# Allegro board RK3576_TEMPLATE_LP4XD200P132SD6_24X34_2133MHz_H1R6_V11_20240529YWQ.brd (continued)
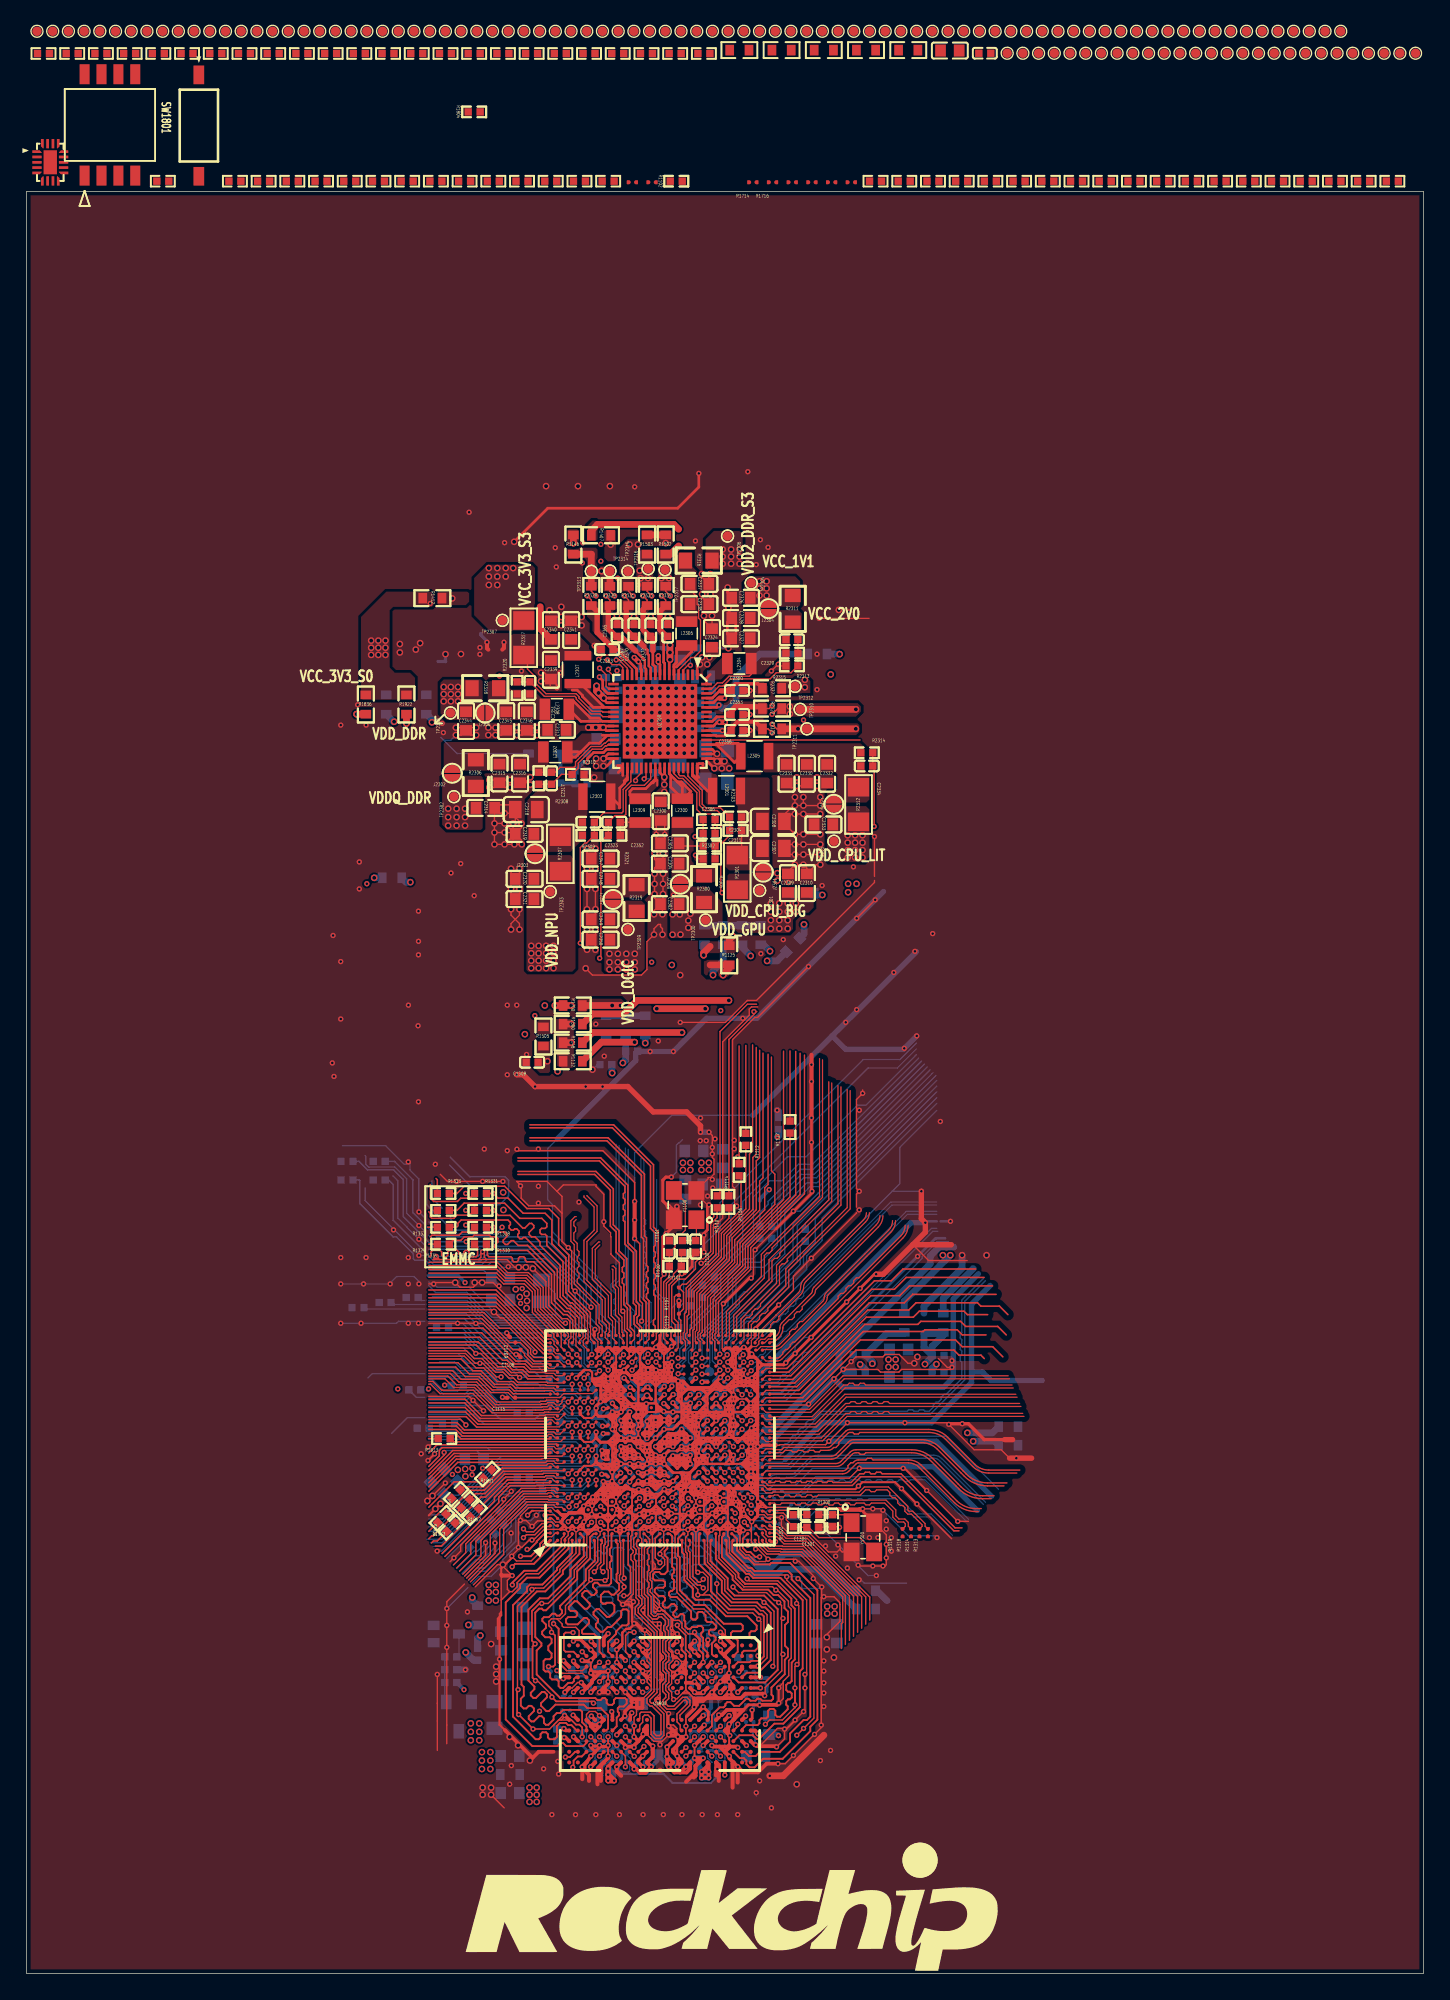
[diagram p0: board, top side]
## Nets (continued)
MIPI_DPHY_CSI0_RX_D2P/MIPI_CPHY_CSI_RX_TRIO2_B: TP1517.1 U1000.AK23(MIPI_DPHY_CSI0_RX_D2P  | MIPI_CPHY_CSI_RX_TRIO2_B)
MIPI_DPHY_CSI0_RX_D3N/MIPI_CPHY_CSI_RX_TRIO2_C: TP1518.1 U1000.AL24(MIPI_DPHY_CSI0_RX_D3N  | MIPI_CPHY_CSI_RX_TRIO2_C)
MIPI_DPHY_CSI0_RX_D3P/NO_USE: TP1519.1 U1000.AK24(MIPI_DPHY_CSI0_RX_D3P  |                   NO_USE)
MIPI_DPHY_CSI1/2_PWREN_H: R1942.2
MIPI_DPHY_CSI1_CAM_CLKOUT: R1952.2
MIPI_DPHY_CSI1_PDN_H: TP1918.1 U1000.1C12(PWM2_CH3_M3 | --             | SPI1_CSN0_M2   | UART8_CTSN_M0  | --              | --              | FLEXBUS1_D3     | DSMC_DATA1  | SAI1_MCLK_M1 | --                  | VO_EBC_SDDO3  | VO_LCDC_D3    | GPIO3_D0_D)
MIPI_DPHY_CSI1_RX_CLKN: TP1524.1 U1000.1AC23(MIPI_DPHY_CSI1_RX_CLKN |                     --)
MIPI_DPHY_CSI1_RX_CLKP: TP1525.1 U1000.1AC22(MIPI_DPHY_CSI1_RX_CLKP |                     --)
MIPI_DPHY_CSI1_RX_D0N: TP1520.1 U1000.AE28(MIPI_DPHY_CSI1_RX_D0N  |                     --)
MIPI_DPHY_CSI1_RX_D0P: TP1521.1 U1000.AE29(MIPI_DPHY_CSI1_RX_D0P  |                     --)
MIPI_DPHY_CSI1_RX_D1N: TP1522.1 U1000.AF28(MIPI_DPHY_CSI1_RX_D1N  |                     --)
MIPI_DPHY_CSI1_RX_D1P: TP1523.1 U1000.AF29(MIPI_DPHY_CSI1_RX_D1P  |                     --)
MIPI_DPHY_CSI1_RX_D2N/MIPI_DPHY_CSI2_RX_D0N: TP1526.1 U1000.AG28(MIPI_DPHY_CSI1_RX_D2N  |  MIPI_DPHY_CSI2_RX_D0N)
MIPI_DPHY_CSI1_RX_D2P/MIPI_DPHY_CSI2_RX_D0P: TP1527.1 U1000.AG29(MIPI_DPHY_CSI1_RX_D2P  |  MIPI_DPHY_CSI2_RX_D0P)
MIPI_DPHY_CSI1_RX_D3N/MIPI_DPHY_CSI2_RX_D1N: TP1528.1 U1000.AH28(MIPI_DPHY_CSI1_RX_D3N  |  MIPI_DPHY_CSI2_RX_D1N)
MIPI_DPHY_CSI1_RX_D3P/MIPI_DPHY_CSI2_RX_D1P: TP1529.1 U1000.AH29(MIPI_DPHY_CSI1_RX_D3P  |  MIPI_DPHY_CSI2_RX_D1P)
MIPI_DPHY_CSI2_RX_CLKN: TP1530.1 U1000.1AD22(--                     | MIPI_DPHY_CSI2_RX_CLKN)
MIPI_DPHY_CSI2_RX_CLKP: TP1531.1 U1000.1AD21(--                     | MIPI_DPHY_CSI2_RX_CLKP)
MIPI_DPHY_CSI3/4_PWREN_H: R1946.2
MIPI_DPHY_CSI3_CAM_CLKOUT: R1953.2
MIPI_DPHY_CSI3_PDN_H: TP1922.1 U1000.1D10(--          | I2C3_SDA_M2    | SPI3_MISO_M1   | UART5_TX_M0    | --              | --              | FLEXBUS1_D0     | DSMC_CLKP   | SAI1_SDI2_M1 | --                  | VO_EBC_GDCLK  | VO_LCDC_HSYNC | GPIO3_D5_D)
MIPI_DPHY_CSI3_RX_CLKN: TP1536.1 U1000.1H23(MIPI_DPHY_CSI3_RX_CLKN |                     --)
MIPI_DPHY_CSI3_RX_CLKP: TP1537.1 U1000.1H22(MIPI_DPHY_CSI3_RX_CLKP |                     --)
MIPI_DPHY_CSI3_RX_D0N: TP1532.1 U1000.H29(MIPI_DPHY_CSI3_RX_D0N  |                     --)
MIPI_DPHY_CSI3_RX_D0P: TP1533.1 U1000.H28(MIPI_DPHY_CSI3_RX_D0P  |                     --)
MIPI_DPHY_CSI3_RX_D1N: TP1534.1 U1000.J29(MIPI_DPHY_CSI3_RX_D1N  |                     --)
MIPI_DPHY_CSI3_RX_D1P: TP1535.1 U1000.J28(MIPI_DPHY_CSI3_RX_D1P  |                     --)
MIPI_DPHY_CSI3_RX_D2N/MIPI_DPHY_CSI4_RX_D0N: TP1538.1 U1000.K29(MIPI_DPHY_CSI3_RX_D2N  |  MIPI_DPHY_CSI4_RX_D0N)
MIPI_DPHY_CSI3_RX_D2P/MIPI_DPHY_CSI4_RX_D0P: TP1539.1 U1000.K28(MIPI_DPHY_CSI3_RX_D2P  |  MIPI_DPHY_CSI4_RX_D0P)
MIPI_DPHY_CSI3_RX_D3N/MIPI_DPHY_CSI4_RX_D1N: TP1540.1 U1000.L29(MIPI_DPHY_CSI3_RX_D3N  |  MIPI_DPHY_CSI4_RX_D1N)
MIPI_DPHY_CSI3_RX_D3P/MIPI_DPHY_CSI4_RX_D1P: TP1541.1 U1000.L28(MIPI_DPHY_CSI3_RX_D3P  |  MIPI_DPHY_CSI4_RX_D1P)
MIPI_DPHY_CSI4_RX_CLKN: TP1542.1 U1000.1K23(--                     | MIPI_DPHY_CSI4_RX_CLKN)
MIPI_DPHY_CSI4_RX_CLKP: TP1543.1 U1000.1K22(--                     | MIPI_DPHY_CSI4_RX_CLKP)
MIPI_DPHY_DSI_TX_CLKN: TP1504.1 U1000.AK17(MIPI_DPHY_DSI_TX_CLKN | MIPI_CPHY_DSI_TX_TRIO1_B)
MIPI_DPHY_DSI_TX_CLKP: TP1505.1 U1000.AL17(MIPI_DPHY_DSI_TX_CLKP | MIPI_CPHY_DSI_TX_TRIO1_C)
MIPI_DPHY_DSI_TX_D0N: TP1500.1 U1000.AK15(MIPI_DPHY_DSI_TX_D0N  | MIPI_CPHY_DSI_TX_TRIO0_A)
MIPI_DPHY_DSI_TX_D0P: TP1501.1 U1000.AL15(MIPI_DPHY_DSI_TX_D0P  | MIPI_CPHY_DSI_TX_TRIO0_B)
MIPI_DPHY_DSI_TX_D1N: TP1502.1 U1000.AK16(MIPI_DPHY_DSI_TX_D1N  | MIPI_CPHY_DSI_TX_TRIO0_C)
MIPI_DPHY_DSI_TX_D1P: TP1503.1 U1000.AL16(MIPI_DPHY_DSI_TX_D1P  | MIPI_CPHY_DSI_TX_TRIO1_A)
MIPI_DPHY_DSI_TX_D2N: TP1506.1 U1000.AK18(MIPI_DPHY_DSI_TX_D2N  | MIPI_CPHY_DSI_TX_TRIO2_A)
MIPI_DPHY_DSI_TX_D2P: TP1507.1 U1000.AL18(MIPI_DPHY_DSI_TX_D2P  | MIPI_CPHY_DSI_TX_TRIO2_B)
MIPI_DPHY_DSI_TX_D3N: TP1508.1 U1000.AK19(MIPI_DPHY_DSI_TX_D3N  | MIPI_CPHY_DSI_TX_TRIO2_C)
MIPI_DPHY_DSI_TX_D3P: TP1509.1 U1000.AL19(MIPI_DPHY_DSI_TX_D3P  |                   NO_USE)
MIPI_TE_M1_GPIO3_A2: R1904.2
NPOR: C1119.1 R1106.1 R1107.1 U1000.W28(NPOR)
OSC_1V8: C1102.1 R1119.2 U1000.2J10(OSC_AVDD1V8)
OSC_UFS_AVDD: C1307.1 R1324.1 U1000.2M2(OSC_UFS_AVDD)
OSC_UFS_XIN: C1304.1 R1302.2 U1000.AK5(OSC_UFS_XIN) Y1300.3(X2)
OSC_UFS_XOUT: R1300.1 R1302.1 U1000.AL5(OSC_UFS_XOUT)
OTP_VDD0V75: C1117.1 R1148.1 U1000.2H11(OTP_DVDD0V75)
PCIE0_CLKREQN_M0: TP1902.1 U1000.1A17(--          | --              | PCIE0_CLKREQN_M0 | SPI4_CSN0_M3  | UART1_CTSN_M1  | PDM0_SDI1_M3 | SAI0_SDI2_M0 | ETH0_TXD3_M1        | SDMMC1_CMD_M1       | VI_CIF_D11           | GPIO2_B2_D)
PCIE0_PERSTN: TP1904.1 U1000.A19(--          | SATA0_ACTLED_M0 | --               | SPI4_MOSI_M3  | UART7_CTSN_M0  | PDM0_SDI0_M3 | SAI0_SDI3_M0 | ETH0_TXD2_M1        | SDMMC1_PWREN_M1     | VI_CIF_D9            | GPIO2_B4_D)
PCIE0_SOC_REFCLKN: R1714.1 U1000.1N23(PCIE0_REFCLKN |        --)
PCIE0_SOC_REFCLKP: R1716.1 U1000.1N22(PCIE0_REFCLKP |        --)
PCIE0_SOC_RXN: R1709.1 U1000.R29(PCIE0_RXN     | SATA0_RXN)
PCIE0_SOC_RXP: R1711.1 U1000.R28(PCIE0_RXP     | SATA0_RXP)
PCIE0_SOC_TXN: R1706.1 U1000.P28(PCIE0_TXN     | SATA0_TXN)
PCIE0_SOC_TXP: R1704.1 U1000.P29(PCIE0_TXP     | SATA0_TXP)
PCIE0_WAKEN_M0: TP1109.1 U1000.1Y22(UART1_CTSN_M0 | PWM1_CH5_M0 | CPUBIG_AVS     | --              | I2C4_SCL_M0      | PDM0_SDI2_M0 | SAI0_SDO2_M1   | SAI0_SDI2_M1 | GPIO0_D2_D)
PCIE1_CLKREQN_M0: TP1903.1 U1000.1B16(--          | --              | PCIE1_CLKREQN_M0 | SPI4_CLK_M3   | UART1_RTSN_M1  | PDM0_CLK1_M3 | SAI0_SDO2_M0 | ETH0_TXCLK_M1       | SDMMC1_CLK_M1       | VI_CIF_D10           | GPIO2_B3_D)
PCIE1_PERSTN: SW1801.8(B1)
PCIE1_PWREN_H: R1939.2
PCIE1_REFCLKN: R1720.1 U1000.1M23(PCIE1_REFCLKN | --        |              --)
PCIE1_REFCLKP: R1719.1 U1000.1L23(PCIE1_REFCLKP | --        |              --)
PCIE1_RXN: U1700.16(HSB0-)
PCIE1_RXN/USB3_HOST1_SSRXN: U1000.M29(PCIE1_RXN     | SATA1_RXN | USB3_OTG1_SSRXN) U1700.1(A0-)
PCIE1_RXP: U1700.15(HSB0+)
PCIE1_RXP/USB3_HOST1_SSRXP: U1000.M28(PCIE1_RXP     | SATA1_RXP | USB3_OTG1_SSRXP) U1700.2(A0+)
PCIE1_TXN: U1700.11(HSB1-)
PCIE1_TXN/USB3_HOST1_SSTXN: U1000.N29(PCIE1_TXN     | SATA1_TXN | USB3_OTG1_SSTXN) U1700.4(A1-)
PCIE1_TXP: U1700.10(HSB1+)
PCIE1_TXP/USB3_HOST1_SSTXP: U1000.N28(PCIE1_TXP     | SATA1_TXP | USB3_OTG1_SSTXP) U1700.5(A1+)
PCIE_CLKIC_0_REFCLKN: R1720.2
PCIE_CLKIC_0_REFCLKP: R1719.2
PCIE_COMBOPHY_AVDD0V85: C1700.1 C1702.1 R1700.1 U1000.2E11(PCIE1_SATA1_USB3_OTG1_AVDD0V85) U1000.2F11(PCIE0_SATA0_AVDD0V85)
PCIE_COMBOPHY_AVDD1V8: C1701.1 C1703.1 C1704.1 R1701.1 U1000.2E12(PCIE1_SATA1_USB3_OTG1_AVDD1V8) U1000.2F12(PCIE0_SATA0_AVDD1V8)
PDM1_CLK0_M1_LOOPBACK: R1807.2
PDM1_CLK1_M1: TP1800.1 U1000.1A5(--          | UART2_RTSN_M1    | UART6_RTSN_M0 | UART5_TX_M1   | SPI4_CLK_M2  | FLEXBUS1_D13_M1 | PDM1_CLK1_M1    | SAI1_SDI3_M0 | SAI1_SDO1_M0 | GPIO4_B0_D)
PDM1_SDI1_M1: TP1802.1 U1000.B6(--          | --               | MIPI_TE_M0    | --            | SPI4_MISO_M2 | FLEXBUS1_D15_M1 | PDM1_SDI1_M1    | SAI1_SDI1_M0 | SAI1_SDO3_M0 | GPIO4_B2_D)
PDM1_SDI2_M1: TP1801.1 U1000.B7(--          | UART2_CTSN_M1    | UART6_CTSN_M0 | UART5_RX_M1   | SPI4_MOSI_M2 | FLEXBUS1_D14_M1 | PDM1_SDI2_M1    | SAI1_SDI2_M0 | SAI1_SDO2_M0 | GPIO4_B1_D)
PDM1_SDI3_M1_LOOPBACK: R1804.2
PLL_AVDD1V8: C1105.1 R1136.2 U1000.2H12(PLL_AVDD1V8)
PLL_DVDD0V75: C1104.1 R1132.2 U1000.2G11(PLL_DVDD0V75)
PMIC_EXT_EN_OUT: U2300.39((M\/S)EXT_EN)
PMIC_FB5: R2302.2 R2305.1 U2300.47(FB5)
PMIC_FB6: C2317.2 R2308.2 R2310.1 U2300.31(FB6)
PMIC_FB9: C2329.2 R2313.2 R2315.1 U2300.66(FB9)
PMIC_INT_L: R1116.2 U2300.19(INT)
PMIC_PWR_CTRL1: R1112.2 U2300.62(PWRCTRL1)
PMIC_PWR_CTRL2: Q3801.1(GATE) R1114.2 U2300.61(PWRCTRL2)
PMIC_SW1: L2301.1 U2300.50(SW1_1) U2300.51(SW1_2)
PMIC_SW2: L2303.1 U2300.35(SW2_1) U2300.36(SW2_2)
PMIC_SW3: L2305.1 U2300.55(SW3)
PMIC_SW4: L2307.1 U2300.23(SW4)
PMIC_SW5: L2300.2 U2300.45(SW5)
PMIC_SW6: L2302.2 U2300.29(SW6)
PMIC_SW7: L2309.1 U2300.42(SW7)
PMIC_SW8: L2306.2 U2300.6(SW8)
PMIC_SW9: L2304.2 U2300.68(SW9)
PMIC_SW10: L2308.2 U2300.26(SW10)
PMIC_VDC: C2368.1 R2330.2 R2332.1 U2300.32(VDC)
PMU_DVDD0V75: C1107.1 C1118.1 R1146.1 U1000.2L2(PMU_LOGIC_DVDD0V75_0) U1000.2L10(PMU_LOGIC_DVDD0V75_1)
PMUIO0_VCC1V8: C1103.1 R1125.1 U1000.2K11(PMUIO0_VCC1V8)
PMUIO1_VCC: C1106.1 R1141.1 U1000.1U20(PMUIO1_VCC)
PWM0_CH0_M0_IR: TP1105.1 U1000.1W22(--            | PWM0_CH0_M0 | --             | UART10_TX_M2    | --               | PDM0_CLK0_M0 | --             | SAI0_MCLK_M1 | GPIO0_C4_D)
PWM0_CH1_LOGIC_MEM: TP1104.1 U1000.1W21(--            | PWM0_CH1_M0 | SPI0_CSN1_M0   | --              | HDMI_TX_CEC_M1   | PDM0_CLK1_M0 | --             | --           | GPIO0_C3_D)
PWM1_CH0_M0_LED: R1130.2
PWM2_CH5_M1_FAN: R1834.2
PWRON_L: C2369.1 U2300.4(PWRON)
RESET_L: C2366.1 R1106.2 U2300.40(RESETB)
RTC_INT_L: R1110.2
SAI1_LRCK_M0: R1806.2
SAI1_MCLK_M0: R1802.2
SAI1_SCLK_M0: R1803.2
SAI1_SDI0_M0: R1810.2
SAI1_SDO0_M0: R1808.2
SAI2_LRCK_M0: R1822.2
SAI2_SCLK_M0: R1821.2
SAI2_SDI_M0: R1842.2
SAI2_SDO_M0: R1820.2
SARADC_AVDD1V8: C1116.1 R1102.1 R1104.1 R1145.1 U1000.2A10(SARADC_AVDD1V8)
SARADC_VIN0_BOOT: C1108.1 R1102.2 R1103.1 U1000.A25(SARADC_IN0_BOOT)
SARADC_VIN1_KEY/RECOVERY: C1109.1 R1104.2 U1000.1A22(SARADC_IN1)
SARADC_VIN2_HW_ID: C1110.1 U1000.1B19(SARADC_IN2)
SARADC_VIN3_HP_HOOK: C1111.1 U1000.1C19(SARADC_IN3)
SARADC_VIN4: C1112.1 U1000.1E18(SARADC_IN4)
SARADC_VIN5: C1113.1 U1000.1D19(SARADC_IN5)
SARADC_VIN6: C1114.1 U1000.1D21(SARADC_IN6)
SARADC_VIN7_LCD_ID: C1115.1 U1000.1E19(SARADC_IN7)
SDMMC0_CLK: R1363.2
SDMMC0_CLK/UART5_TX_M2/I2C5_SCL_M0: R1353.2 R1363.1
SDMMC0_CMD: R1362.2
SDMMC0_CMD/UART5_RX_M2/I2C5_SDA_M0: R1362.1 U1000.1A21(PWM2_CH4_M0    | --         | SPI0_CSN0_M1 | I2C5_SDA_M0 | --            | UART5_RX_M2 | --           | SAI3_SDO_M3  | --            | FSPI1_CSN0_M0 | SDMMC0_CMD | GPIO2_A4_D)
SDMMC0_D0: R1356.2
SDMMC0_D0/CAN0_RX_M0: R1356.1 U1000.B24(PWM2_CH2_M0    | CAN0_RX_M0 | SPI0_MOSI_M1 | I2C8_SCL_M0 | UART7_RX_M2   | UART0_RX_M1 | --           | --           | DSM_AUD_LP_M0 | FSPI1_D0_M0   | SDMMC0_D0  | GPIO2_A0_D)
SDMMC0_D1: R1357.2
SDMMC0_D1/CAN0_TX_M0: R1357.1 U1000.B25(PWM2_CH3_M0    | CAN0_TX_M0 | SPI0_MISO_M1 | I2C8_SDA_M0 | UART7_TX_M2   | UART0_TX_M1 | --           | SAI3_MCLK_M3 | DSM_AUD_LN_M0 | FSPI1_D1_M0   | SDMMC0_D1  | GPIO2_A1_D)
SDMMC0_D2: R1358.2
SDMMC0_D2/JTAG_TCK_M0: R1358.1 U1000.A23(I3C1_SCL_M1    | CAN1_RX_M0 | SPI0_CSN1_M1 | --          | UART5_RTSN_M2 | JTAG_TCK_M0 | --           | SAI3_LRCK_M3 | DSM_AUD_RP_M0 | FSPI1_D2_M0   | SDMMC0_D2  | GPIO2_A2_D)
SDMMC0_D3: R1359.2
SDMMC0_D3/JTAG_TMS_M0: R1359.1 U1000.B23(I3C1_SDA_M1    | CAN1_TX_M0 | --           | --          | UART5_CTSN_M2 | JTAG_TMS_M0 | --           | SAI3_SDI_M3  | DSM_AUD_RN_M0 | FSPI1_D3_M0   | SDMMC0_D3  | GPIO2_A3_D)
SDMMC0_DET_L: R1117.2
SDMMC0_PWREN_H: TP1101.1 U1000.1Y24(--            | PWM1_CH2_M0 | --             | EDP_TX_HPDIN_M1 | HDMI_TX_HPDIN_M1 | --           | SDMMC1_DETN_M2 | SDMMC0_PWREN | GPIO0_B6_D)
SDMMC1_CLK_M0: R1813.2
SDMMC1_CMD_M0: TP1807.1 U1000.B26(PWM0_CH0_M1  | --               | SPI1_CSN1_M0 | --             | UART3_TX_M2    | --           | PDM0_SDI2_M2 | --            | --            | SDMMC1_CMD_M0   | ETH1_TXD3_M1        | GPIO1_C0_D)
SDMMC1_D0_M0: TP1803.1 U1000.A28(PWM1_CH0_M1  | PCIE1_CLKREQN_M1 | SPI1_CLK_M0  | I2C9_SDA_M1    | --             | --           | --           | SAI3_SCLK_M1  | --            | SDMMC1_D0_M0    | ETH1_RXD2_M1        | GPIO1_B4_D)
SDMMC1_D1_M0: TP1804.1 U1000.B27(PWM1_CH1_M1  | --               | SPI1_MOSI_M0 | I2C9_SCL_M1    | --             | --           | --           | SAI3_LRCK_M1  | --            | SDMMC1_D1_M0    | ETH1_RXD3_M1        | GPIO1_B5_D)
SDMMC1_D2_M0: TP1805.1 U1000.1A23(--           | PCIE0_CLKREQN_M1 | SPI1_MISO_M0 | --             | UART3_CTSN_M2  | --           | --           | SAI3_SDO_M1   | --            | SDMMC1_D2_M0    | ETH1_RXCLK_M1       | GPIO1_B6_D)
SDMMC1_D3_M0: TP1806.1 U1000.A27(--           | --               | SPI1_CSN0_M0 | --             | UART3_RTSN_M2  | --           | --           | SAI3_SDI_M1   | --            | SDMMC1_D3_M0    | ETH1_TXD2_M1        | GPIO1_B7_D)
SPK_CTL_H: R1908.2
TP_INT_L: TP1106.1 U1000.1AA22(--            | --          | I3C0_SDA_PU_M0 | UART10_RX_M2    | DP_HPDIN_M1      | --           | --             | SAI0_SDO0_M1 | GPIO0_C5_D)
TP_RST_L: TP1108.1 U1000.1W23(--            | --          | SPI0_MOSI_M0   | --              | --               | PDM0_SDI0_M0 | --             | SAI0_SDI0_M1 | GPIO0_D0_D)
TSADC_CTRL_M0: R1107.2 U1000.1R24(--          | TSADC_CTRL_ORG | TSADC_CTRL_M0 | --              | --           | GPIO0_A1_Z)
TYPEC_DPTX_AUX_PUPDCTL1: TP1900.1 U1000.B22(--          | --              | I2C4_SCL_M2      | SPI4_CSN1_M3  | UART8_TX_M1    | --           | SAI0_SDO0_M0 | ETH0_RXD0_M1        | SDMMC1_D0_M1        | VI_CIF_D15           | GPIO2_A6_D)
TYPEC_DPTX_AUX_PUPDCTL2: TP1901.1 U1000.B20(--          | --              | I2C4_SDA_M2      | --            | UART8_RX_M1    | --           | SAI0_SDO1_M0 | ETH0_TXCTL_M1       | SDMMC1_D1_M1        | VI_CIF_D14           | GPIO2_A7_D)
UART0_RX_M0_DEBUG: TP1111.1 U1000.AA28(--            | --          | --             | JTAG_TMS_M1     | UART0_RX_M0      | --           | --             | --           | GPIO0_D5_U)
UART0_TX_M0_DEBUG: TP1110.1 U1000.1U24(--            | --          | --             | JTAG_TCK_M1     | UART0_TX_M0      | --           | --             | --           | GPIO0_D4_U)
UART4_CTSN_M1: R1815.2
UART4_RTSN_M1: R1814.2
UART4_RX_M1: R1817.2
UART4_TX_M1: R1816.2
UFS_AVDD0V85: C1302.1 C1303.1 R1320.1 U1000.2N2(UFS_AVDD0V85)
UFS_AVDD1V8: C1305.1 C1306.1 R1323.1 U1000.2P2(UFS_AVDD1V8)
UFS_REFCLK: R1306.2
UFS_RSTN: R1304.2
UFS_RX0N: R1314.1 U1000.AL7(UFS_RX_D0N)
UFS_RX0P: R1313.1 U1000.AK8(UFS_RX_D0P)
UFS_RX1N: R1319.1 U1000.AL6(UFS_RX_D1N)
UFS_RX1P: R1318.1 U1000.AK7(UFS_RX_D1P)
UFS_RX_D0N: R1314.2
UFS_RX_D0P: R1313.2
UFS_RX_D1N: R1319.2
UFS_RX_D1P: R1318.2
UFS_SOC_REFCLK: R1306.1 U1000.AK4(UFS_REFCLK | GPIO4_D1_D)
UFS_SOC_RSTN: R1304.1 U1000.1AD2(UFS_RSTN   | GPIO4_D0_D)
UFS_TX0N: R1305.1 U1000.1AC6(UFS_TX_D0N)
UFS_TX0P: R1303.1 U1000.1AD6(UFS_TX_D0P)
UFS_TX1N: R1309.1 U1000.1AD5(UFS_TX_D1N)
UFS_TX1P: R1307.1 U1000.1AD4(UFS_TX_D1P)
UFS_TX_D0N: R1305.2
UFS_TX_D0P: R1303.2
UFS_TX_D1N: R1309.2
UFS_TX_D1P: R1307.2
UFS_TX_REXT: R1301.1 U1000.2R2(UFS_TX_REXT)
USB2_HOST1_DM: TP1415.1 U1000.2T5(USB2_OTG1_DM)
USB2_HOST1_DP: TP1414.1 U1000.2T4(USB2_OTG1_DP)
USB2_OTG0_DM: TP1413.1 U1000.AL9(USB2_OTG0_DM)
USB2_OTG0_DP: TP1412.1 U1000.AK9(USB2_OTG0_DP)
USB2_OTG0_ID: TP1400.1 U1000.2R6(USB2_OTG0_ID)
USB2_OTG0_REXT: R1401.1 U1000.2R3(USB2_OTG0_REXT)
USB2_OTG0_VBUSDET: C1404.1 U1000.2P3(USB2_OTG0_VBUSDET)
USB2_OTG1_ID: TP1401.1 U1000.2T9(USB2_OTG1_ID)
USB2_OTG1_REXT: R1402.1 U1000.2U8(USB2_OTG1_REXT)
USB2_OTG1_VBUSDET: C1409.1 R1405.1 R1406.1 U1000.2T10(USB2_OTG1_VBUSDET)
USB2_OTG_AVDD1V8: C1406.1 C1407.1 R1409.1 U1000.2P4(USB2_OTG_AVDD1V8)
USB2_OTG_AVDD3V3: C1408.1 R1412.1 U1000.2P7(USB2_OTG_AVDD3V3)
USB2_OTG_DVDD0V75: C1405.1 R1407.1 U1000.2P5(USB2_OTG_DVDD0V75)
USB3_HOST1_SSRXN: U1700.14(HSC0-)
USB3_HOST1_SSRXP: U1700.13(HSC0+)
USB3_HOST1_SSTXN: U1700.9(HSC1-)
USB3_HOST1_SSTXP: U1700.8(HSC1+)
USB3_HOST_PWREN_H: R1109.2
USB3_OTG0/DP_TX_AVDD0V85: C1400.1 C1401.1 R1403.1 U1000.2M5(USB3_OTG0_DP_TX_AVDD0V85) U1000.2N5(USB3_OTG0_DP_TX_DVDD0V85)
USB3_OTG0/DP_TX_AVDD1V8: C1402.1 C1403.1 R1404.1 U1000.2N4(USB3_OTG0_DP_TX_AVDD1V8)
USB3_OTG0_DP_TX_REXT: R1400.1 U1000.2T7(USB3_OTG0_REXT   | DP_TX_REXT)
USB3_OTG0_SSRX1N/DP_TX_D0N: TP1405.1 U1000.AL10(USB3_OTG0_SSRX1N |  DP_TX_D0N)
USB3_OTG0_SSRX1P/DP_TX_D0P: TP1404.1 U1000.AK10(USB3_OTG0_SSRX1P |  DP_TX_D0P)
USB3_OTG0_SSRX2N/DP_TX_D2N: TP1409.1 U1000.AL12(USB3_OTG0_SSRX2N |  DP_TX_D2N)
USB3_OTG0_SSRX2P/DP_TX_D2P: TP1408.1 U1000.AK12(USB3_OTG0_SSRX2P |  DP_TX_D2P)
USB3_OTG0_SSTX1N/DP_TX_D1N: TP1407.1 U1000.AK11(USB3_OTG0_SSTX1N |  DP_TX_D1N)
USB3_OTG0_SSTX1P/DP_TX_D1P: TP1406.1 U1000.AL11(USB3_OTG0_SSTX1P |  DP_TX_D1P)
USB3_OTG0_SSTX2N/DP_TX_D3N: TP1411.1 U1000.AK13(USB3_OTG0_SSTX2N |  DP_TX_D3N)
USB3_OTG0_SSTX2P/DP_TX_D3P: TP1410.1 U1000.AL13(USB3_OTG0_SSTX2P |  DP_TX_D3P)
USB3_PCIE1_SLOT_SEL: R1707.2 S1700.1(A1) U1700.6(SEL)
USB_OTG0_PWREN_H: R1137.2
USBCC_INT_L: R1115.2
WIFI_PCIE0_REFCLKN: R1714.2
WIFI_PCIE0_REFCLKP: R1716.2
WIFI_PCIE0_RXN: R1709.2
WIFI_PCIE0_RXP: R1711.2
WIFI_PCIE0_TXN: R1706.2
WIFI_PCIE0_TXP: R1704.2
WIFI_REG_ON_H: R1818.2
WIFI_WAKE_HOST_H: R1118.2
XIN_24M: C1101.1 R1101.2 U1000.U28(OSC_XIN) Y1100.3(X2)
XOUT_24M: R1100.2 R1101.1 U1000.U29(OSC_XOUT)
ZQ_A: R1200.2 U1000.1R6(ZQ_A)
ZQ_B: R1201.1 U1000.1J6(ZQ_B)
N15661080: C2361.2 D2301.2(K) R2330.1
N15663308: TP2318.1 U2300.16((PWRCTRL3)SO)
N19347246: C1100.1 R1100.1 Y1100.1(X1)
N19625788: R1353.1 U1000.1B21(I3C1_SDA_PU_M1 | --         | SPI0_CLK_M1  | I2C5_SCL_M0 | --            | UART5_TX_M2 | TEST_CLK_OUT | SAI3_SCLK_M3 | --            | FSPI1_CLK_M0  | SDMMC0_CLK | GPIO2_A5_D)
N19625800: R1310.1 U1000.1G23(PWM2_CH7_M1 | --         | --            | --            | PDM0_CLK0_M1 | SAI0_SDI1_M2 | SAI0_SDO3_M2 | FSPI0_CLK  | EMMC_CLK  | GPIO1_B1_D)
N19628194: R1911.1 U1000.1D18(PWM2_CH6_M2 | I3C1_SDA_PU_M0  | --               | --            | UART9_RTSN_M0  | SPDIF_RX0_M2 | SAI3_MCLK_M2 | ETH0_MCLK_M1        | ETH_CLK1_25M_OUT_M0 | CAM_CLK1_OUT_M1      | GPIO2_D6_D)
N19628195: R1949.1 U1000.1E15(PWM2_CH7_M2 | --              | --               | SPI3_CSN1_M0  | UART9_CTSN_M0  | SPDIF_TX0_M2 | SAI0_SDO3_M0 | ETH_CLK0_25M_OUT_M1 | ETH1_MCLK_M0        | CAM_CLK2_OUT_M1      | GPIO2_D7_D)
N19628229: R1951.1 U1000.1E7(PWM2_CH7_M3 | --             | SPI3_CSN1_M1   | UART5_RTSN_M0  | FLEXBUS1_CSN_M1 | FLEXBUS1_D12_M0 | FLEXBUS0_D15_M0 | DSMC_RESETN | SAI4_SCLK_M1 | CAM_CLK0_OUT_M0     | VO_EBC_SDOE   | VO_LCDC_CLK   | GPIO3_D7_D)
N19628230: R1952.1 U1000.1B12(MIPI_TE_M2  | I2C7_SCL_M2    | SPI1_CSN1_M2   | UART3_TX_M1    | FLEXBUS1_CSN_M3 | FLEXBUS1_D14_M0 | FLEXBUS0_D13_M0 | DSMC_INT0   | SAI4_LRCK_M1 | CAM_CLK1_OUT_M0     | SPDIF_RX0_M1  | --            | GPIO4_A0_D)
N19628231: R1953.1 U1000.1B7(--          | I2C7_SDA_M2    | --             | UART3_RX_M1    | FLEXBUS0_CSN_M1 | FLEXBUS1_D13_M0 | FLEXBUS0_D14_M0 | DSMC_INT2   | SAI4_SDO_M1  | CAM_CLK2_OUT_M0     | SPDIF_TX0_M1  | VO_POST_EMPTY | GPIO4_A1_D)
N21004058: C1301.1 R1300.2 Y1300.1(X1)
N21902615: R3802.2 U3800.A5(ZQ0)
N21902619: R3804.2 U3800.A8(ZQ1)
N27106033: R1712.2 U1700.7(/OE)
N30279606: C3845.1 Q3800.1(GATE) R3810.2 R3811.1
N30279662: Q3801.3(DRAIN) R3811.2

Pads without a net: SW1801 2 7; U1000 1AA5 1AA6 1D4 1E4 1G4 1G5 1H5 1R5 1V4 1V5 2F10; U1700 3 12; U2300 2 3 38 48; U3800 A1 A2 A11 A12 AA1 AA12 AB1 AB2 AB11 AB12 B1 B12 G11 K5 K8 N5 N8

## Via types
v1: diameter 0.4, hole 0.2, TOP to BOTTOM, 987 vias
v2: diameter 0.5, hole 0.3, TOP to BOTTOM, 496 vias
